# Altium PCB 4G_V4.2_5X4.PcbDoc (part 5 of 5)
Units mm, origin at the board's own origin, x right, y up, seen from the top; angles counter-clockwise.
Board outline 35.5 x 48 mm, 2 copper layers (Top Layer, Bottom Layer); 800 components, 0 nets, 5412 pads, 900 vias.
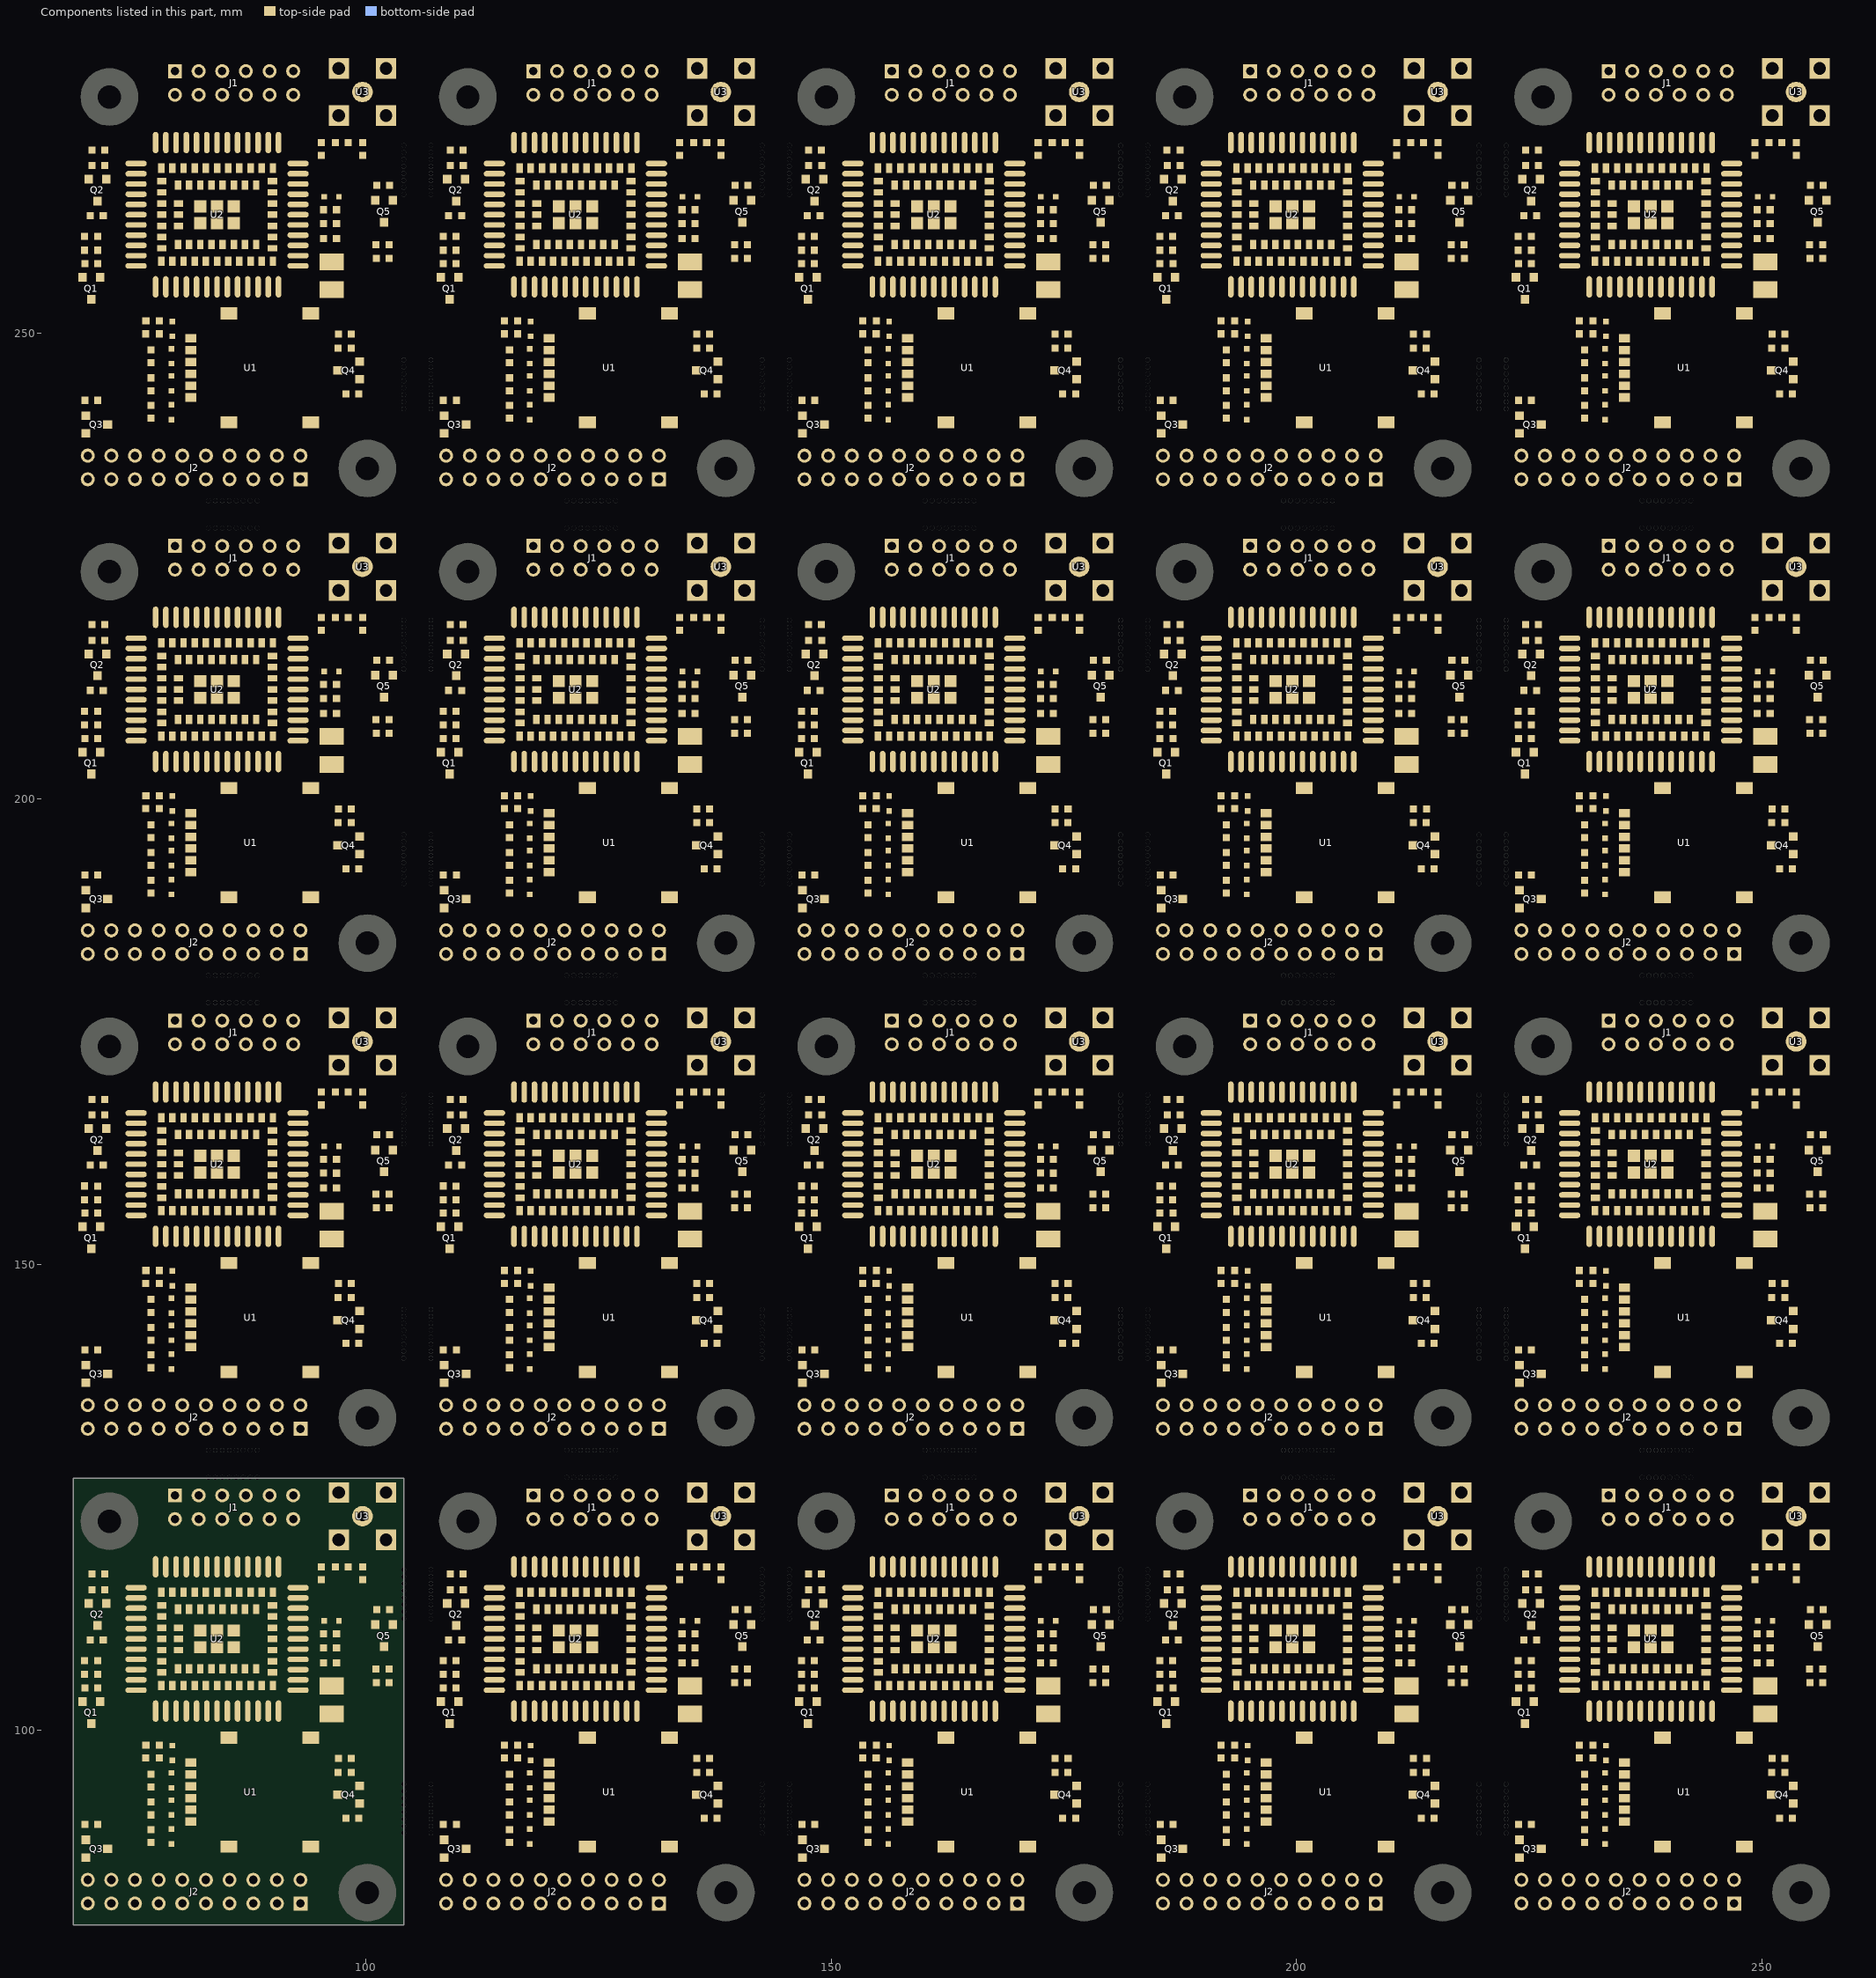
[diagram p5: the components of this part, seen from the top]

## Polygon pours and split planes (outlines as drawn) (continued)
no net on Bottom Layer "GND" (solid, remove dead copper, pour order 3): 145.58,229.035 181.08,229.035 181.08,181.035 145.58,181.035
no net on Bottom Layer "GND" (solid, remove dead copper, pour order 3): 145.58,178.035 181.08,178.035 181.08,130.035 145.58,130.035
no net on Bottom Layer "GND" (solid, remove dead copper, pour order 3): 145.58,127.035 181.08,127.035 181.08,79.035 145.58,79.035
no net on Bottom Layer "GND" (solid, remove dead copper, pour order 3): 107.08,280.035 142.58,280.035 142.58,232.035 107.08,232.035
no net on Bottom Layer "GND" (solid, remove dead copper, pour order 3): 107.08,229.035 142.58,229.035 142.58,181.035 107.08,181.035
no net on Bottom Layer "GND" (solid, remove dead copper, pour order 3): 107.08,178.035 142.58,178.035 142.58,130.035 107.08,130.035
no net on Bottom Layer "GND" (solid, remove dead copper, pour order 3): 107.08,127.035 142.58,127.035 142.58,79.035 107.08,79.035
no net on Bottom Layer "GND" (solid, remove dead copper, pour order 3): 68.58,280.035 104.08,280.035 104.08,232.035 68.58,232.035
no net on Bottom Layer "GND" (solid, remove dead copper, pour order 3): 68.58,229.035 104.08,229.035 104.08,181.035 68.58,181.035
no net on Bottom Layer "GND" (solid, remove dead copper, pour order 3): 68.58,178.035 104.08,178.035 104.08,130.035 68.58,130.035
no net on Bottom Layer "GND" (solid, remove dead copper, pour order 3): 68.58,127.035 104.08,127.035 104.08,79.035 68.58,79.035

## Keep-outs
Keep-Out Layer:
  lines w0.254: 82.702,127.035 82.702,130.035 ; 82.702,178.035 82.702,181.035 ; 82.702,229.035 82.702,232.035 ; 88.671,127.035 88.671,130.035 ; 88.671,178.035 88.671,181.035 ; 88.671,229.035 88.671,232.035 ; 104.08,88.529 107.08,88.529 ; 104.08,94.498 107.08,94.498 ; 104.08,111.566 107.08,111.566 ; 104.08,117.535 107.08,117.535 ; 104.08,139.529 107.08,139.529 ; 104.08,145.498 107.08,145.498 ; 104.08,162.566 107.08,162.566 ; 104.08,168.535 107.08,168.535 ; 104.08,190.529 107.08,190.529 ; 104.08,196.498 107.08,196.498 ; 104.08,213.566 107.08,213.566 ; 104.08,219.535 107.08,219.535 ; 104.08,241.529 107.08,241.529 ; 104.08,247.498 107.08,247.498 ; 104.08,264.566 107.08,264.566 ; 104.08,270.535 107.08,270.535 ; 121.202,127.035 121.202,130.035 ; 121.202,178.035 121.202,181.035 ; 121.202,229.035 121.202,232.035 ; 127.171,127.035 127.171,130.035 ; 127.171,178.035 127.171,181.035 ; 127.171,229.035 127.171,232.035 ; 142.58,88.529 145.58,88.529 ; 142.58,94.498 145.58,94.498 ; 142.58,111.566 145.58,111.566 ; 142.58,117.535 145.58,117.535 ; 142.58,139.529 145.58,139.529 ; 142.58,145.498 145.58,145.498 ; 142.58,162.566 145.58,162.566 ; 142.58,168.535 145.58,168.535 ; 142.58,190.529 145.58,190.529 ; 142.58,196.498 145.58,196.498 ; 142.58,213.566 145.58,213.566 ; 142.58,219.535 145.58,219.535 ; 142.58,241.529 145.58,241.529 ; 142.58,247.498 145.58,247.498 ; 142.58,264.566 145.58,264.566 ; 142.58,270.535 145.58,270.535 ; 159.702,127.035 159.702,130.035 ; 159.702,178.035 159.702,181.035 ; 159.702,229.035 159.702,232.035 ; 165.671,127.035 165.671,130.035 ; 165.671,178.035 165.671,181.035 ; 165.671,229.035 165.671,232.035 ; 181.08,88.529 184.08,88.529 ; 181.08,94.498 184.08,94.498 ; 181.08,111.566 184.08,111.566 ; 181.08,117.535 184.08,117.535 ; 181.08,139.529 184.08,139.529 ; 181.08,145.498 184.08,145.498 ; 181.08,162.566 184.08,162.566 ; 181.08,168.535 184.08,168.535 ; 181.08,190.529 184.08,190.529 ; 181.08,196.498 184.08,196.498 ; 181.08,213.566 184.08,213.566 ; 181.08,219.535 184.08,219.535 ; 181.08,241.529 184.08,241.529 ; 181.08,247.498 184.08,247.498 ; 181.08,264.566 184.08,264.566 ; 181.08,270.535 184.08,270.535 ; 198.202,127.035 198.202,130.035 ; 198.202,178.035 198.202,181.035 ; 198.202,229.035 198.202,232.035 ; 204.171,127.035 204.171,130.035 ; 204.171,178.035 204.171,181.035 ; 204.171,229.035 204.171,232.035 ; 219.58,88.529 222.58,88.529 ; 219.58,94.498 222.58,94.498 ; 219.58,111.566 222.58,111.566 ; 219.58,117.535 222.58,117.535 ; 219.58,139.529 222.58,139.529 ; 219.58,145.498 222.58,145.498 ; 219.58,162.566 222.58,162.566 ; 219.58,168.535 222.58,168.535 ; 219.58,190.529 222.58,190.529 ; 219.58,196.498 222.58,196.498 ; 219.58,213.566 222.58,213.566 ; 219.58,219.535 222.58,219.535 ; 219.58,241.529 222.58,241.529 ; 219.58,247.498 222.58,247.498 ; 219.58,264.566 222.58,264.566 ; 219.58,270.535 222.58,270.535 ; 236.702,127.035 236.702,130.035 ; 236.702,178.035 236.702,181.035 ; 236.702,229.035 236.702,232.035 ; 242.671,127.035 242.671,130.035 ; 242.671,178.035 242.671,181.035 ; 242.671,229.035 242.671,232.035 ; 68.58,79.035 104.08,79.035 104.08,127.035 68.58,127.035 68.58,79.035 ; 68.58,130.035 104.08,130.035 104.08,178.035 68.58,178.035 68.58,130.035 ; 68.58,181.035 104.08,181.035 104.08,229.035 68.58,229.035 68.58,181.035 ; 68.58,232.035 104.08,232.035 104.08,280.035 68.58,280.035 68.58,232.035 ; 107.08,79.035 142.58,79.035 142.58,127.035 107.08,127.035 107.08,79.035 ; 107.08,130.035 142.58,130.035 142.58,178.035 107.08,178.035 107.08,130.035 ; 107.08,181.035 142.58,181.035 142.58,229.035 107.08,229.035 107.08,181.035 ; 107.08,232.035 142.58,232.035 142.58,280.035 107.08,280.035 107.08,232.035 ; 145.58,79.035 181.08,79.035 181.08,127.035 145.58,127.035 145.58,79.035 ; 145.58,130.035 181.08,130.035 181.08,178.035 145.58,178.035 145.58,130.035 ; 145.58,181.035 181.08,181.035 181.08,229.035 145.58,229.035 145.58,181.035 ; 145.58,232.035 181.08,232.035 181.08,280.035 145.58,280.035 145.58,232.035 ; 184.08,79.035 219.58,79.035 219.58,127.035 184.08,127.035 184.08,79.035 ; 184.08,130.035 219.58,130.035 219.58,178.035 184.08,178.035 184.08,130.035 ; 184.08,181.035 219.58,181.035 219.58,229.035 184.08,229.035 184.08,181.035 ; 184.08,232.035 219.58,232.035 219.58,280.035 184.08,280.035 184.08,232.035 ; 222.58,79.035 258.08,79.035 258.08,127.035 222.58,127.035 222.58,79.035 ; 222.58,130.035 258.08,130.035 258.08,178.035 222.58,178.035 222.58,130.035 ; 222.58,181.035 258.08,181.035 258.08,229.035 222.58,229.035 222.58,181.035 ; 222.58,232.035 258.08,232.035 258.08,280.035 222.58,280.035 222.58,232.035

## Other copper
Top Layer:
  rectangle: 245.923,259.156 249.606,260.807
  rectangle: 245.923,208.156 249.606,209.807
  rectangle: 245.923,157.156 249.606,158.807
  rectangle: 245.923,106.156 249.606,107.807
  rectangle: 207.423,259.156 211.106,260.807
  rectangle: 207.423,208.156 211.106,209.807
  rectangle: 207.423,157.156 211.106,158.807
  rectangle: 207.423,106.156 211.106,107.807
  rectangle: 168.923,259.156 172.606,260.807
  rectangle: 168.923,208.156 172.606,209.807
  rectangle: 168.923,157.156 172.606,158.807
  rectangle: 168.923,106.156 172.606,107.807
  rectangle: 130.423,259.156 134.106,260.807
  rectangle: 130.423,208.156 134.106,209.807
  rectangle: 130.423,157.156 134.106,158.807
  rectangle: 130.423,106.156 134.106,107.807
  rectangle: 91.923,259.156 95.606,260.807
  rectangle: 91.923,208.156 95.606,209.807
  rectangle: 91.923,157.156 95.606,158.807
  rectangle: 91.923,106.156 95.606,107.807
  region: 249.834,265.024 249.783,265.074 248.996,265.074 248.488,264.49 248.463,264.439 248.463,257.251 248.92,256.794 249.936,256.794
  region: 249.834,214.024 249.783,214.074 248.996,214.074 248.488,213.49 248.463,213.439 248.463,206.251 248.92,205.794 249.936,205.794
  region: 249.834,163.024 249.783,163.074 248.996,163.074 248.488,162.49 248.463,162.439 248.463,155.251 248.92,154.794 249.936,154.794
  region: 249.834,112.024 249.783,112.074 248.996,112.074 248.488,111.49 248.463,111.439 248.463,104.251 248.92,103.794 249.936,103.794
  region: 211.334,265.024 211.283,265.074 210.496,265.074 209.988,264.49 209.963,264.439 209.963,257.251 210.42,256.794 211.436,256.794
  region: 211.334,214.024 211.283,214.074 210.496,214.074 209.988,213.49 209.963,213.439 209.963,206.251 210.42,205.794 211.436,205.794
  region: 211.334,163.024 211.283,163.074 210.496,163.074 209.988,162.49 209.963,162.439 209.963,155.251 210.42,154.794 211.436,154.794
  region: 211.334,112.024 211.283,112.074 210.496,112.074 209.988,111.49 209.963,111.439 209.963,104.251 210.42,103.794 211.436,103.794
  region: 172.834,265.024 172.783,265.074 171.996,265.074 171.488,264.49 171.463,264.439 171.463,257.251 171.92,256.794 172.936,256.794
  region: 172.834,214.024 172.783,214.074 171.996,214.074 171.488,213.49 171.463,213.439 171.463,206.251 171.92,205.794 172.936,205.794
  region: 172.834,163.024 172.783,163.074 171.996,163.074 171.488,162.49 171.463,162.439 171.463,155.251 171.92,154.794 172.936,154.794
  region: 172.834,112.024 172.783,112.074 171.996,112.074 171.488,111.49 171.463,111.439 171.463,104.251 171.92,103.794 172.936,103.794
  region: 134.334,265.024 134.283,265.074 133.496,265.074 132.988,264.49 132.963,264.439 132.963,257.251 133.42,256.794 134.436,256.794
  region: 134.334,214.024 134.283,214.074 133.496,214.074 132.988,213.49 132.963,213.439 132.963,206.251 133.42,205.794 134.436,205.794
  region: 134.334,163.024 134.283,163.074 133.496,163.074 132.988,162.49 132.963,162.439 132.963,155.251 133.42,154.794 134.436,154.794
  region: 134.334,112.024 134.283,112.074 133.496,112.074 132.988,111.49 132.963,111.439 132.963,104.251 133.42,103.794 134.436,103.794
  region: 95.834,265.024 95.783,265.074 94.996,265.074 94.488,264.49 94.463,264.439 94.463,257.251 94.92,256.794 95.936,256.794
  region: 95.834,214.024 95.783,214.074 94.996,214.074 94.488,213.49 94.463,213.439 94.463,206.251 94.92,205.794 95.936,205.794
  region: 95.834,163.024 95.783,163.074 94.996,163.074 94.488,162.49 94.463,162.439 94.463,155.251 94.92,154.794 95.936,154.794
  region: 95.834,112.024 95.783,112.074 94.996,112.074 94.488,111.49 94.463,111.439 94.463,104.251 94.92,103.794 95.936,103.794

## Silkscreen, mask and mechanical layers (free items; w line width, h text height)
Top Overlay:
  lines w0.254: 74.143,89.545 74.143,98.536 ; 74.143,140.545 74.143,149.536 ; 74.143,191.545 74.143,200.536 ; 74.143,242.545 74.143,251.536 ; 112.643,89.545 112.643,98.536 ; 112.643,140.545 112.643,149.536 ; 112.643,191.545 112.643,200.536 ; 112.643,242.545 112.643,251.536 ; 151.143,89.545 151.143,98.536 ; 151.143,140.545 151.143,149.536 ; 151.143,191.545 151.143,200.536 ; 151.143,242.545 151.143,251.536 ; 189.643,89.545 189.643,98.536 ; 189.643,140.545 189.643,149.536 ; 189.643,191.545 189.643,200.536 ; 189.643,242.545 189.643,251.536 ; 228.143,89.545 228.143,98.536 ; 228.143,140.545 228.143,149.536 ; 228.143,191.545 228.143,200.536 ; 228.143,242.545 228.143,251.536
  text "HEIM-V4.2" at 73.838,242.24 h2 r90
  text "HEIM-V4.2" at 112.338,242.24 h2 r90
  text "HEIM-V4.2" at 150.838,242.24 h2 r90
  text "HEIM-V4.2" at 189.338,242.24 h2 r90
  text "HEIM-V4.2" at 227.838,242.24 h2 r90
  text "HEIM-V4.2" at 73.838,191.24 h2 r90
  text "HEIM-V4.2" at 112.338,191.24 h2 r90
  text "HEIM-V4.2" at 150.838,191.24 h2 r90
  text "HEIM-V4.2" at 189.338,191.24 h2 r90
  text "HEIM-V4.2" at 227.838,191.24 h2 r90
  text "HEIM-V4.2" at 73.838,140.24 h2 r90
  text "HEIM-V4.2" at 112.338,140.24 h2 r90
  text "HEIM-V4.2" at 150.838,140.24 h2 r90
  text "HEIM-V4.2" at 189.338,140.24 h2 r90
  text "HEIM-V4.2" at 227.838,140.24 h2 r90
  text "HEIM-V4.2" at 73.838,89.24 h2 r90
  text "HEIM-V4.2" at 112.338,89.24 h2 r90
  text "HEIM-V4.2" at 150.838,89.24 h2 r90
  text "HEIM-V4.2" at 189.338,89.24 h2 r90
  text "HEIM-V4.2" at 227.838,89.24 h2 r90

## Text inside footprints (layer, text, board x,y; h text height)
U1: Top Overlay "LOCK" at 245.307,251.354 h0.5 r180; Top Overlay "OPEN" at 245.307,241.626 h0.5 r180
U1: Top Overlay "LOCK" at 245.307,200.354 h0.5 r180; Top Overlay "OPEN" at 245.307,190.626 h0.5 r180
U1: Top Overlay "LOCK" at 245.307,149.354 h0.5 r180; Top Overlay "OPEN" at 245.307,139.626 h0.5 r180
U1: Top Overlay "LOCK" at 245.307,98.354 h0.5 r180; Top Overlay "OPEN" at 245.307,88.626 h0.5 r180
U1: Top Overlay "LOCK" at 206.807,251.354 h0.5 r180; Top Overlay "OPEN" at 206.807,241.626 h0.5 r180
U1: Top Overlay "LOCK" at 206.807,200.354 h0.5 r180; Top Overlay "OPEN" at 206.807,190.626 h0.5 r180
U1: Top Overlay "LOCK" at 206.807,149.354 h0.5 r180; Top Overlay "OPEN" at 206.807,139.626 h0.5 r180
U1: Top Overlay "LOCK" at 206.807,98.354 h0.5 r180; Top Overlay "OPEN" at 206.807,88.626 h0.5 r180
U1: Top Overlay "LOCK" at 168.307,251.354 h0.5 r180; Top Overlay "OPEN" at 168.307,241.626 h0.5 r180
U1: Top Overlay "LOCK" at 168.307,200.354 h0.5 r180; Top Overlay "OPEN" at 168.307,190.626 h0.5 r180
U1: Top Overlay "LOCK" at 168.307,149.354 h0.5 r180; Top Overlay "OPEN" at 168.307,139.626 h0.5 r180
U1: Top Overlay "LOCK" at 168.307,98.354 h0.5 r180; Top Overlay "OPEN" at 168.307,88.626 h0.5 r180
U1: Top Overlay "LOCK" at 129.807,251.354 h0.5 r180; Top Overlay "OPEN" at 129.807,241.626 h0.5 r180
U1: Top Overlay "LOCK" at 129.807,200.354 h0.5 r180; Top Overlay "OPEN" at 129.807,190.626 h0.5 r180
U1: Top Overlay "LOCK" at 129.807,149.354 h0.5 r180; Top Overlay "OPEN" at 129.807,139.626 h0.5 r180
U1: Top Overlay "LOCK" at 129.807,98.354 h0.5 r180; Top Overlay "OPEN" at 129.807,88.626 h0.5 r180
U1: Top Overlay "LOCK" at 91.307,251.354 h0.5 r180; Top Overlay "OPEN" at 91.307,241.626 h0.5 r180
U1: Top Overlay "LOCK" at 91.307,200.354 h0.5 r180; Top Overlay "OPEN" at 91.307,190.626 h0.5 r180
U1: Top Overlay "LOCK" at 91.307,149.354 h0.5 r180; Top Overlay "OPEN" at 91.307,139.626 h0.5 r180
U1: Top Overlay "LOCK" at 91.307,98.354 h0.5 r180; Top Overlay "OPEN" at 91.307,88.626 h0.5 r180
U2: Mechanical 5 "94" at 236.223,263.583 h0.1 r270; Mechanical 5 "92" at 238.023,263.583 h0.1 r270; Mechanical 5 "90" at 239.823,263.583 h0.1 r270; Mechanical 5 "93" at 236.223,261.783 h0.1 r270; Mechanical 5 "91" at 238.023,261.783 h0.1 r270; Mechanical 5 "89" at 239.823,261.783 h0.1 r270; Mechanical 5 "79" at 235.023,259.483 h0.1 r270; Mechanical 5 "82" at 235.023,265.883 h0.1 r270; Mechanical 5 "109" at 233.873,263.843 h0.1 r270; Mechanical 5 "81" at 233.823,265.883 h0.1 r270; Mechanical 5 "83" at 236.223,265.883 h0.1 r270; Mechanical 5 "84" at 237.423,265.883 h0.1 r270; Mechanical 5 "85" at 238.623,265.883 h0.1 r270; Mechanical 5 "86" at 239.823,265.883 h0.1 r270; Mechanical 5 "87" at 241.023,265.883 h0.1 r270; Mechanical 5 "108" at 233.873,262.643 h0.1 r270; Mechanical 5 "107" at 233.873,261.443 h0.1 r270; Mechanical 5 "80" at 233.823,259.483 h0.1 r270; Mechanical 5 "78" at 236.223,259.483 h0.1 r270; Mechanical 5 "77" at 237.423,259.483 h0.1 r270; Mechanical 5 "76" at 238.623,259.483 h0.1 r270; Mechanical 5 "75" at 239.823,259.483 h0.1 r270; Mechanical 5 "74" at 241.023,259.483 h0.1 r270; Mechanical 5 "88" at 242.223,265.883 h0.1 r270; Mechanical 5 "73" at 242.223,259.483 h0.1 r270; Mechanical 5 "61" at 235.623,267.683 h0.1 r270; Mechanical 5 "59" at 233.223,267.683 h0.1 r270; Mechanical 5 "60" at 234.423,267.683 h0.1 r270; Mechanical 5 "102" at 232.073,266.243 h0.1 r270; Mechanical 5 "58" at 232.073,265.083 h0.1 r270; Mechanical 5 "57" at 232.073,263.883 h0.1 r270; Mechanical 5 "56" at 232.073,262.683 h0.1 r270; Mechanical 5 "55" at 232.073,261.483 h0.1 r270; Mechanical 5 "54" at 232.073,260.283 h0.1 r270; Mechanical 5 "101" at 232.073,259.043 h0.1 r270; Mechanical 5 "105" at 243.973,266.243 h0.1 r270; Mechanical 5 "68" at 243.973,265.083 h0.1 r270; Mechanical 5 "69" at 243.973,263.883 h0.1 r270; Mechanical 5 "106" at 243.973,259.043 h0.1 r270; Mechanical 5 "103" at 232.023,267.643 h0.1 r270; Mechanical 5 "62" at 236.823,267.683 h0.1 r270; Mechanical 5 "63" at 238.023,267.683 h0.1 r270; Mechanical 5 "64" at 239.223,267.683 h0.1 r270; Mechanical 5 "65" at 240.423,267.683 h0.1 r270; Mechanical 5 "104" at 244.023,267.643 h0.1 r270; Mechanical 5 "100" at 232.023,257.643 h0.1 r270; Mechanical 5 "53" at 233.223,257.683 h0.1 r270; Mechanical 5 "52" at 234.423,257.683 h0.1 r270; Mechanical 5 "51" at 235.623,257.683 h0.1 r270; Mechanical 5 "50" at 236.823,257.683 h0.1 r270; Mechanical 5 "49" at 238.023,257.683 h0.1 r270; Mechanical 5 "99" at 244.023,257.683 h0.1 r270; Mechanical 5 "66" at 241.623,267.683 h0.1 r270; Mechanical 5 "67" at 242.823,267.683 h0.1 r270; Mechanical 5 "45" at 242.823,257.683 h0.1 r270; Mechanical 5 "70" at 243.973,262.683 h0.1 r270; Mechanical 5 "71" at 243.973,261.483 h0.1 r270; Mechanical 5 "72" at 243.973,260.283 h0.1 r270; Mechanical 5 "48" at 239.223,257.683 h0.1 r270; Mechanical 5 "47" at 240.423,257.683 h0.1 r270; Mechanical 5 "46" at 241.623,257.683 h0.1 r270; Mechanical 5 "24" at 232.523,270.433 h0.1 r270; Mechanical 5 "42" at 246.723,260.483 h0.1 r270; Mechanical 5 "43" at 246.723,259.383 h0.1 r270; Mechanical 5 "14" at 229.323,258.283 h0.1 r270; Mechanical 5 "12" at 232.523,254.933 h0.1 r270; Mechanical 5 "11" at 233.623,254.933 h0.1 r270; Mechanical 5 "13" at 231.423,254.933 h0.1 r270; Mechanical 5 "25" at 233.623,270.433 h0.1 r270; Mechanical 5 "15" at 229.323,259.383 h0.1 r270; Mechanical 5 "97" at 246.723,268.183 h0.1 r270; Mechanical 5 "44" at 246.723,258.283 h0.1 r270; Mechanical 5 "26" at 234.723,270.433 h0.1 r270; Mechanical 5 "9" at 235.823,254.973 h0.1 r270; Mechanical 5 "8" at 236.923,254.973 h0.1 r270; Mechanical 5 "6" at 239.123,254.973 h0.1 r270; Mechanical 5 "5" at 240.223,254.973 h0.1 r270; Mechanical 5 "4" at 241.323,254.973 h0.1 r270; Mechanical 5 "96" at 229.323,268.183 h0.1 r270; Mechanical 5 "95" at 229.323,257.183 h0.1 r270; Mechanical 5 "3" at 242.423,254.973 h0.1 r270; Mechanical 5 "7" at 238.023,254.973 h0.1 r270; Mechanical 5 "31" at 240.223,270.433 h0.1 r270; Mechanical 5 "33" at 242.423,270.433 h0.1 r270; Mechanical 5 "32" at 241.323,270.433 h0.1 r270; Mechanical 5 "30" at 239.123,270.433 h0.1 r270; Mechanical 5 "16" at 229.323,260.483 h0.1 r270; Mechanical 5 "18" at 229.323,262.683 h0.1 r270; Mechanical 5 "17" at 229.323,261.583 h0.1 r270; Mechanical 5 "23" at 231.423,270.433 h0.1 r270; Mechanical 5 "20" at 229.323,264.883 h0.1 r270; Mechanical 5 "19" at 229.323,263.783 h0.1 r270; Mechanical 5 "21" at 229.323,265.983 h0.1 r270; Mechanical 5 "22" at 229.323,267.083 h0.1 r270; Mechanical 5 "36" at 246.723,267.083 h0.1 r270; Mechanical 5 "37" at 246.723,265.983 h0.1 r270; Mechanical 5 "40" at 246.723,262.683 h0.1 r270; Mechanical 5 "41" at 246.723,261.583 h0.1 r270; Mechanical 5 "27" at 235.823,270.433 h0.1 r270; Mechanical 5 "34" at 243.523,270.433 h0.1 r270; Mechanical 5 "10" at 234.723,254.933 h0.1 r270; Mechanical 5 "1" at 244.623,254.973 h0.1 r270; Mechanical 5 "39" at 246.723,263.783 h0.1 r270; Mechanical 5 "38" at 246.723,264.883 h0.1 r270; Mechanical 5 "29" at 238.023,270.433 h0.1 r270; Mechanical 5 "28" at 236.923,270.433 h0.1 r270; Mechanical 5 "98" at 246.723,257.183 h0.1 r270; Mechanical 5 "35" at 244.623,270.433 h0.1 r270; Mechanical 5 "2" at 243.523,254.973 h0.1 r270
U2: Mechanical 5 "94" at 236.223,212.583 h0.1 r270; Mechanical 5 "92" at 238.023,212.583 h0.1 r270; Mechanical 5 "90" at 239.823,212.583 h0.1 r270; Mechanical 5 "93" at 236.223,210.783 h0.1 r270; Mechanical 5 "91" at 238.023,210.783 h0.1 r270; Mechanical 5 "89" at 239.823,210.783 h0.1 r270; Mechanical 5 "79" at 235.023,208.483 h0.1 r270; Mechanical 5 "82" at 235.023,214.883 h0.1 r270; Mechanical 5 "109" at 233.873,212.843 h0.1 r270; Mechanical 5 "81" at 233.823,214.883 h0.1 r270; Mechanical 5 "83" at 236.223,214.883 h0.1 r270; Mechanical 5 "84" at 237.423,214.883 h0.1 r270; Mechanical 5 "85" at 238.623,214.883 h0.1 r270; Mechanical 5 "86" at 239.823,214.883 h0.1 r270; Mechanical 5 "87" at 241.023,214.883 h0.1 r270; Mechanical 5 "108" at 233.873,211.643 h0.1 r270; Mechanical 5 "107" at 233.873,210.443 h0.1 r270; Mechanical 5 "80" at 233.823,208.483 h0.1 r270; Mechanical 5 "78" at 236.223,208.483 h0.1 r270; Mechanical 5 "77" at 237.423,208.483 h0.1 r270; Mechanical 5 "76" at 238.623,208.483 h0.1 r270; Mechanical 5 "75" at 239.823,208.483 h0.1 r270; Mechanical 5 "74" at 241.023,208.483 h0.1 r270; Mechanical 5 "88" at 242.223,214.883 h0.1 r270; Mechanical 5 "73" at 242.223,208.483 h0.1 r270; Mechanical 5 "61" at 235.623,216.683 h0.1 r270; Mechanical 5 "59" at 233.223,216.683 h0.1 r270; Mechanical 5 "60" at 234.423,216.683 h0.1 r270; Mechanical 5 "102" at 232.073,215.243 h0.1 r270; Mechanical 5 "58" at 232.073,214.083 h0.1 r270; Mechanical 5 "57" at 232.073,212.883 h0.1 r270; Mechanical 5 "56" at 232.073,211.683 h0.1 r270; Mechanical 5 "55" at 232.073,210.483 h0.1 r270; Mechanical 5 "54" at 232.073,209.283 h0.1 r270; Mechanical 5 "101" at 232.073,208.043 h0.1 r270; Mechanical 5 "105" at 243.973,215.243 h0.1 r270; Mechanical 5 "68" at 243.973,214.083 h0.1 r270; Mechanical 5 "69" at 243.973,212.883 h0.1 r270; Mechanical 5 "106" at 243.973,208.043 h0.1 r270; Mechanical 5 "103" at 232.023,216.643 h0.1 r270; Mechanical 5 "62" at 236.823,216.683 h0.1 r270; Mechanical 5 "63" at 238.023,216.683 h0.1 r270; Mechanical 5 "64" at 239.223,216.683 h0.1 r270; Mechanical 5 "65" at 240.423,216.683 h0.1 r270; Mechanical 5 "104" at 244.023,216.643 h0.1 r270; Mechanical 5 "100" at 232.023,206.643 h0.1 r270; Mechanical 5 "53" at 233.223,206.683 h0.1 r270; Mechanical 5 "52" at 234.423,206.683 h0.1 r270; Mechanical 5 "51" at 235.623,206.683 h0.1 r270; Mechanical 5 "50" at 236.823,206.683 h0.1 r270; Mechanical 5 "49" at 238.023,206.683 h0.1 r270; Mechanical 5 "99" at 244.023,206.683 h0.1 r270; Mechanical 5 "66" at 241.623,216.683 h0.1 r270; Mechanical 5 "67" at 242.823,216.683 h0.1 r270; Mechanical 5 "45" at 242.823,206.683 h0.1 r270; Mechanical 5 "70" at 243.973,211.683 h0.1 r270; Mechanical 5 "71" at 243.973,210.483 h0.1 r270; Mechanical 5 "72" at 243.973,209.283 h0.1 r270; Mechanical 5 "48" at 239.223,206.683 h0.1 r270; Mechanical 5 "47" at 240.423,206.683 h0.1 r270; Mechanical 5 "46" at 241.623,206.683 h0.1 r270; Mechanical 5 "24" at 232.523,219.433 h0.1 r270; Mechanical 5 "42" at 246.723,209.483 h0.1 r270; Mechanical 5 "43" at 246.723,208.383 h0.1 r270; Mechanical 5 "14" at 229.323,207.283 h0.1 r270; Mechanical 5 "12" at 232.523,203.933 h0.1 r270; Mechanical 5 "11" at 233.623,203.933 h0.1 r270; Mechanical 5 "13" at 231.423,203.933 h0.1 r270; Mechanical 5 "25" at 233.623,219.433 h0.1 r270; Mechanical 5 "15" at 229.323,208.383 h0.1 r270; Mechanical 5 "97" at 246.723,217.183 h0.1 r270; Mechanical 5 "44" at 246.723,207.283 h0.1 r270; Mechanical 5 "26" at 234.723,219.433 h0.1 r270; Mechanical 5 "9" at 235.823,203.973 h0.1 r270; Mechanical 5 "8" at 236.923,203.973 h0.1 r270; Mechanical 5 "6" at 239.123,203.973 h0.1 r270; Mechanical 5 "5" at 240.223,203.973 h0.1 r270; Mechanical 5 "4" at 241.323,203.973 h0.1 r270; Mechanical 5 "96" at 229.323,217.183 h0.1 r270; Mechanical 5 "95" at 229.323,206.183 h0.1 r270; Mechanical 5 "3" at 242.423,203.973 h0.1 r270; Mechanical 5 "7" at 238.023,203.973 h0.1 r270; Mechanical 5 "31" at 240.223,219.433 h0.1 r270; Mechanical 5 "33" at 242.423,219.433 h0.1 r270; Mechanical 5 "32" at 241.323,219.433 h0.1 r270; Mechanical 5 "30" at 239.123,219.433 h0.1 r270; Mechanical 5 "16" at 229.323,209.483 h0.1 r270; Mechanical 5 "18" at 229.323,211.683 h0.1 r270; Mechanical 5 "17" at 229.323,210.583 h0.1 r270; Mechanical 5 "23" at 231.423,219.433 h0.1 r270; Mechanical 5 "20" at 229.323,213.883 h0.1 r270; Mechanical 5 "19" at 229.323,212.783 h0.1 r270; Mechanical 5 "21" at 229.323,214.983 h0.1 r270; Mechanical 5 "22" at 229.323,216.083 h0.1 r270; Mechanical 5 "36" at 246.723,216.083 h0.1 r270; Mechanical 5 "37" at 246.723,214.983 h0.1 r270; Mechanical 5 "40" at 246.723,211.683 h0.1 r270; Mechanical 5 "41" at 246.723,210.583 h0.1 r270; Mechanical 5 "27" at 235.823,219.433 h0.1 r270; Mechanical 5 "34" at 243.523,219.433 h0.1 r270; Mechanical 5 "10" at 234.723,203.933 h0.1 r270; Mechanical 5 "1" at 244.623,203.973 h0.1 r270; Mechanical 5 "39" at 246.723,212.783 h0.1 r270; Mechanical 5 "38" at 246.723,213.883 h0.1 r270; Mechanical 5 "29" at 238.023,219.433 h0.1 r270; Mechanical 5 "28" at 236.923,219.433 h0.1 r270; Mechanical 5 "98" at 246.723,206.183 h0.1 r270; Mechanical 5 "35" at 244.623,219.433 h0.1 r270; Mechanical 5 "2" at 243.523,203.973 h0.1 r270
U2: Mechanical 5 "94" at 236.223,161.583 h0.1 r270; Mechanical 5 "92" at 238.023,161.583 h0.1 r270; Mechanical 5 "90" at 239.823,161.583 h0.1 r270; Mechanical 5 "93" at 236.223,159.783 h0.1 r270; Mechanical 5 "91" at 238.023,159.783 h0.1 r270; Mechanical 5 "89" at 239.823,159.783 h0.1 r270; Mechanical 5 "79" at 235.023,157.483 h0.1 r270; Mechanical 5 "82" at 235.023,163.883 h0.1 r270; Mechanical 5 "109" at 233.873,161.843 h0.1 r270; Mechanical 5 "81" at 233.823,163.883 h0.1 r270; Mechanical 5 "83" at 236.223,163.883 h0.1 r270; Mechanical 5 "84" at 237.423,163.883 h0.1 r270; Mechanical 5 "85" at 238.623,163.883 h0.1 r270; Mechanical 5 "86" at 239.823,163.883 h0.1 r270; Mechanical 5 "87" at 241.023,163.883 h0.1 r270; Mechanical 5 "108" at 233.873,160.643 h0.1 r270; Mechanical 5 "107" at 233.873,159.443 h0.1 r270; Mechanical 5 "80" at 233.823,157.483 h0.1 r270; Mechanical 5 "78" at 236.223,157.483 h0.1 r270; Mechanical 5 "77" at 237.423,157.483 h0.1 r270; Mechanical 5 "76" at 238.623,157.483 h0.1 r270; Mechanical 5 "75" at 239.823,157.483 h0.1 r270; Mechanical 5 "74" at 241.023,157.483 h0.1 r270; Mechanical 5 "88" at 242.223,163.883 h0.1 r270; Mechanical 5 "73" at 242.223,157.483 h0.1 r270; Mechanical 5 "61" at 235.623,165.683 h0.1 r270; Mechanical 5 "59" at 233.223,165.683 h0.1 r270; Mechanical 5 "60" at 234.423,165.683 h0.1 r270; Mechanical 5 "102" at 232.073,164.243 h0.1 r270; Mechanical 5 "58" at 232.073,163.083 h0.1 r270; Mechanical 5 "57" at 232.073,161.883 h0.1 r270; Mechanical 5 "56" at 232.073,160.683 h0.1 r270; Mechanical 5 "55" at 232.073,159.483 h0.1 r270; Mechanical 5 "54" at 232.073,158.283 h0.1 r270; Mechanical 5 "101" at 232.073,157.043 h0.1 r270; Mechanical 5 "105" at 243.973,164.243 h0.1 r270; Mechanical 5 "68" at 243.973,163.083 h0.1 r270; Mechanical 5 "69" at 243.973,161.883 h0.1 r270; Mechanical 5 "106" at 243.973,157.043 h0.1 r270; Mechanical 5 "103" at 232.023,165.643 h0.1 r270; Mechanical 5 "62" at 236.823,165.683 h0.1 r270; Mechanical 5 "63" at 238.023,165.683 h0.1 r270; Mechanical 5 "64" at 239.223,165.683 h0.1 r270; Mechanical 5 "65" at 240.423,165.683 h0.1 r270; Mechanical 5 "104" at 244.023,165.643 h0.1 r270; Mechanical 5 "100" at 232.023,155.643 h0.1 r270; Mechanical 5 "53" at 233.223,155.683 h0.1 r270; Mechanical 5 "52" at 234.423,155.683 h0.1 r270; Mechanical 5 "51" at 235.623,155.683 h0.1 r270; Mechanical 5 "50" at 236.823,155.683 h0.1 r270; Mechanical 5 "49" at 238.023,155.683 h0.1 r270; Mechanical 5 "99" at 244.023,155.683 h0.1 r270; Mechanical 5 "66" at 241.623,165.683 h0.1 r270; Mechanical 5 "67" at 242.823,165.683 h0.1 r270; Mechanical 5 "45" at 242.823,155.683 h0.1 r270; Mechanical 5 "70" at 243.973,160.683 h0.1 r270; Mechanical 5 "71" at 243.973,159.483 h0.1 r270; Mechanical 5 "72" at 243.973,158.283 h0.1 r270; Mechanical 5 "48" at 239.223,155.683 h0.1 r270; Mechanical 5 "47" at 240.423,155.683 h0.1 r270; Mechanical 5 "46" at 241.623,155.683 h0.1 r270; Mechanical 5 "24" at 232.523,168.433 h0.1 r270; Mechanical 5 "42" at 246.723,158.483 h0.1 r270; Mechanical 5 "43" at 246.723,157.383 h0.1 r270; Mechanical 5 "14" at 229.323,156.283 h0.1 r270; Mechanical 5 "12" at 232.523,152.933 h0.1 r270; Mechanical 5 "11" at 233.623,152.933 h0.1 r270; Mechanical 5 "13" at 231.423,152.933 h0.1 r270; Mechanical 5 "25" at 233.623,168.433 h0.1 r270; Mechanical 5 "15" at 229.323,157.383 h0.1 r270; Mechanical 5 "97" at 246.723,166.183 h0.1 r270; Mechanical 5 "44" at 246.723,156.283 h0.1 r270; Mechanical 5 "26" at 234.723,168.433 h0.1 r270; Mechanical 5 "9" at 235.823,152.973 h0.1 r270; Mechanical 5 "8" at 236.923,152.973 h0.1 r270; Mechanical 5 "6" at 239.123,152.973 h0.1 r270; Mechanical 5 "5" at 240.223,152.973 h0.1 r270; Mechanical 5 "4" at 241.323,152.973 h0.1 r270; Mechanical 5 "96" at 229.323,166.183 h0.1 r270; Mechanical 5 "95" at 229.323,155.183 h0.1 r270; Mechanical 5 "3" at 242.423,152.973 h0.1 r270; Mechanical 5 "7" at 238.023,152.973 h0.1 r270; Mechanical 5 "31" at 240.223,168.433 h0.1 r270; Mechanical 5 "33" at 242.423,168.433 h0.1 r270; Mechanical 5 "32" at 241.323,168.433 h0.1 r270; Mechanical 5 "30" at 239.123,168.433 h0.1 r270; Mechanical 5 "16" at 229.323,158.483 h0.1 r270; Mechanical 5 "18" at 229.323,160.683 h0.1 r270; Mechanical 5 "17" at 229.323,159.583 h0.1 r270; Mechanical 5 "23" at 231.423,168.433 h0.1 r270; Mechanical 5 "20" at 229.323,162.883 h0.1 r270; Mechanical 5 "19" at 229.323,161.783 h0.1 r270; Mechanical 5 "21" at 229.323,163.983 h0.1 r270; Mechanical 5 "22" at 229.323,165.083 h0.1 r270; Mechanical 5 "36" at 246.723,165.083 h0.1 r270; Mechanical 5 "37" at 246.723,163.983 h0.1 r270; Mechanical 5 "40" at 246.723,160.683 h0.1 r270; Mechanical 5 "41" at 246.723,159.583 h0.1 r270; Mechanical 5 "27" at 235.823,168.433 h0.1 r270; Mechanical 5 "34" at 243.523,168.433 h0.1 r270; Mechanical 5 "10" at 234.723,152.933 h0.1 r270; Mechanical 5 "1" at 244.623,152.973 h0.1 r270; Mechanical 5 "39" at 246.723,161.783 h0.1 r270; Mechanical 5 "38" at 246.723,162.883 h0.1 r270; Mechanical 5 "29" at 238.023,168.433 h0.1 r270; Mechanical 5 "28" at 236.923,168.433 h0.1 r270; Mechanical 5 "98" at 246.723,155.183 h0.1 r270; Mechanical 5 "35" at 244.623,168.433 h0.1 r270; Mechanical 5 "2" at 243.523,152.973 h0.1 r270
U2: Mechanical 5 "94" at 236.223,110.583 h0.1 r270; Mechanical 5 "92" at 238.023,110.583 h0.1 r270; Mechanical 5 "90" at 239.823,110.583 h0.1 r270; Mechanical 5 "93" at 236.223,108.783 h0.1 r270; Mechanical 5 "91" at 238.023,108.783 h0.1 r270; Mechanical 5 "89" at 239.823,108.783 h0.1 r270; Mechanical 5 "79" at 235.023,106.483 h0.1 r270; Mechanical 5 "82" at 235.023,112.883 h0.1 r270; Mechanical 5 "109" at 233.873,110.843 h0.1 r270; Mechanical 5 "81" at 233.823,112.883 h0.1 r270; Mechanical 5 "83" at 236.223,112.883 h0.1 r270; Mechanical 5 "84" at 237.423,112.883 h0.1 r270; Mechanical 5 "85" at 238.623,112.883 h0.1 r270; Mechanical 5 "86" at 239.823,112.883 h0.1 r270; Mechanical 5 "87" at 241.023,112.883 h0.1 r270; Mechanical 5 "108" at 233.873,109.643 h0.1 r270; Mechanical 5 "107" at 233.873,108.443 h0.1 r270; Mechanical 5 "80" at 233.823,106.483 h0.1 r270; Mechanical 5 "78" at 236.223,106.483 h0.1 r270; Mechanical 5 "77" at 237.423,106.483 h0.1 r270; Mechanical 5 "76" at 238.623,106.483 h0.1 r270; Mechanical 5 "75" at 239.823,106.483 h0.1 r270; Mechanical 5 "74" at 241.023,106.483 h0.1 r270; Mechanical 5 "88" at 242.223,112.883 h0.1 r270; Mechanical 5 "73" at 242.223,106.483 h0.1 r270; Mechanical 5 "61" at 235.623,114.683 h0.1 r270; Mechanical 5 "59" at 233.223,114.683 h0.1 r270; Mechanical 5 "60" at 234.423,114.683 h0.1 r270; Mechanical 5 "102" at 232.073,113.243 h0.1 r270; Mechanical 5 "58" at 232.073,112.083 h0.1 r270; Mechanical 5 "57" at 232.073,110.883 h0.1 r270; Mechanical 5 "56" at 232.073,109.683 h0.1 r270; Mechanical 5 "55" at 232.073,108.483 h0.1 r270; Mechanical 5 "54" at 232.073,107.283 h0.1 r270; Mechanical 5 "101" at 232.073,106.043 h0.1 r270; Mechanical 5 "105" at 243.973,113.243 h0.1 r270; Mechanical 5 "68" at 243.973,112.083 h0.1 r270; Mechanical 5 "69" at 243.973,110.883 h0.1 r270; Mechanical 5 "106" at 243.973,106.043 h0.1 r270; Mechanical 5 "103" at 232.023,114.643 h0.1 r270; Mechanical 5 "62" at 236.823,114.683 h0.1 r270; Mechanical 5 "63" at 238.023,114.683 h0.1 r270; Mechanical 5 "64" at 239.223,114.683 h0.1 r270; Mechanical 5 "65" at 240.423,114.683 h0.1 r270; Mechanical 5 "104" at 244.023,114.643 h0.1 r270; Mechanical 5 "100" at 232.023,104.643 h0.1 r270; Mechanical 5 "53" at 233.223,104.683 h0.1 r270; Mechanical 5 "52" at 234.423,104.683 h0.1 r270; Mechanical 5 "51" at 235.623,104.683 h0.1 r270; Mechanical 5 "50" at 236.823,104.683 h0.1 r270; Mechanical 5 "49" at 238.023,104.683 h0.1 r270; Mechanical 5 "99" at 244.023,104.683 h0.1 r270; Mechanical 5 "66" at 241.623,114.683 h0.1 r270; Mechanical 5 "67" at 242.823,114.683 h0.1 r270; Mechanical 5 "45" at 242.823,104.683 h0.1 r270; Mechanical 5 "70" at 243.973,109.683 h0.1 r270; Mechanical 5 "71" at 243.973,108.483 h0.1 r270; Mechanical 5 "72" at 243.973,107.283 h0.1 r270; Mechanical 5 "48" at 239.223,104.683 h0.1 r270; Mechanical 5 "47" at 240.423,104.683 h0.1 r270; Mechanical 5 "46" at 241.623,104.683 h0.1 r270; Mechanical 5 "24" at 232.523,117.433 h0.1 r270; Mechanical 5 "42" at 246.723,107.483 h0.1 r270; Mechanical 5 "43" at 246.723,106.383 h0.1 r270; Mechanical 5 "14" at 229.323,105.283 h0.1 r270; Mechanical 5 "12" at 232.523,101.933 h0.1 r270; Mechanical 5 "11" at 233.623,101.933 h0.1 r270; Mechanical 5 "13" at 231.423,101.933 h0.1 r270; Mechanical 5 "25" at 233.623,117.433 h0.1 r270; Mechanical 5 "15" at 229.323,106.383 h0.1 r270; Mechanical 5 "97" at 246.723,115.183 h0.1 r270; Mechanical 5 "44" at 246.723,105.283 h0.1 r270; Mechanical 5 "26" at 234.723,117.433 h0.1 r270; Mechanical 5 "9" at 235.823,101.973 h0.1 r270; Mechanical 5 "8" at 236.923,101.973 h0.1 r270; Mechanical 5 "6" at 239.123,101.973 h0.1 r270; Mechanical 5 "5" at 240.223,101.973 h0.1 r270; Mechanical 5 "4" at 241.323,101.973 h0.1 r270; Mechanical 5 "96" at 229.323,115.183 h0.1 r270; Mechanical 5 "95" at 229.323,104.183 h0.1 r270; Mechanical 5 "3" at 242.423,101.973 h0.1 r270; Mechanical 5 "7" at 238.023,101.973 h0.1 r270; Mechanical 5 "31" at 240.223,117.433 h0.1 r270; Mechanical 5 "33" at 242.423,117.433 h0.1 r270; Mechanical 5 "32" at 241.323,117.433 h0.1 r270; Mechanical 5 "30" at 239.123,117.433 h0.1 r270; Mechanical 5 "16" at 229.323,107.483 h0.1 r270; Mechanical 5 "18" at 229.323,109.683 h0.1 r270; Mechanical 5 "17" at 229.323,108.583 h0.1 r270; Mechanical 5 "23" at 231.423,117.433 h0.1 r270; Mechanical 5 "20" at 229.323,111.883 h0.1 r270; Mechanical 5 "19" at 229.323,110.783 h0.1 r270; Mechanical 5 "21" at 229.323,112.983 h0.1 r270; Mechanical 5 "22" at 229.323,114.083 h0.1 r270; Mechanical 5 "36" at 246.723,114.083 h0.1 r270; Mechanical 5 "37" at 246.723,112.983 h0.1 r270; Mechanical 5 "40" at 246.723,109.683 h0.1 r270; Mechanical 5 "41" at 246.723,108.583 h0.1 r270; Mechanical 5 "27" at 235.823,117.433 h0.1 r270; Mechanical 5 "34" at 243.523,117.433 h0.1 r270; Mechanical 5 "10" at 234.723,101.933 h0.1 r270; Mechanical 5 "1" at 244.623,101.973 h0.1 r270; Mechanical 5 "39" at 246.723,110.783 h0.1 r270; Mechanical 5 "38" at 246.723,111.883 h0.1 r270; Mechanical 5 "29" at 238.023,117.433 h0.1 r270; Mechanical 5 "28" at 236.923,117.433 h0.1 r270; Mechanical 5 "98" at 246.723,104.183 h0.1 r270; Mechanical 5 "35" at 244.623,117.433 h0.1 r270; Mechanical 5 "2" at 243.523,101.973 h0.1 r270
U2: Mechanical 5 "94" at 197.723,263.583 h0.1 r270; Mechanical 5 "92" at 199.523,263.583 h0.1 r270; Mechanical 5 "90" at 201.323,263.583 h0.1 r270; Mechanical 5 "93" at 197.723,261.783 h0.1 r270; Mechanical 5 "91" at 199.523,261.783 h0.1 r270; Mechanical 5 "89" at 201.323,261.783 h0.1 r270; Mechanical 5 "79" at 196.523,259.483 h0.1 r270; Mechanical 5 "82" at 196.523,265.883 h0.1 r270; Mechanical 5 "109" at 195.373,263.843 h0.1 r270; Mechanical 5 "81" at 195.323,265.883 h0.1 r270; Mechanical 5 "83" at 197.723,265.883 h0.1 r270; Mechanical 5 "84" at 198.923,265.883 h0.1 r270; Mechanical 5 "85" at 200.123,265.883 h0.1 r270; Mechanical 5 "86" at 201.323,265.883 h0.1 r270; Mechanical 5 "87" at 202.523,265.883 h0.1 r270; Mechanical 5 "108" at 195.373,262.643 h0.1 r270; Mechanical 5 "107" at 195.373,261.443 h0.1 r270; Mechanical 5 "80" at 195.323,259.483 h0.1 r270; Mechanical 5 "78" at 197.723,259.483 h0.1 r270; Mechanical 5 "77" at 198.923,259.483 h0.1 r270; Mechanical 5 "76" at 200.123,259.483 h0.1 r270; Mechanical 5 "75" at 201.323,259.483 h0.1 r270; Mechanical 5 "74" at 202.523,259.483 h0.1 r270; Mechanical 5 "88" at 203.723,265.883 h0.1 r270; Mechanical 5 "73" at 203.723,259.483 h0.1 r270; Mechanical 5 "61" at 197.123,267.683 h0.1 r270; Mechanical 5 "59" at 194.723,267.683 h0.1 r270; Mechanical 5 "60" at 195.923,267.683 h0.1 r270; Mechanical 5 "102" at 193.573,266.243 h0.1 r270; Mechanical 5 "58" at 193.573,265.083 h0.1 r270; Mechanical 5 "57" at 193.573,263.883 h0.1 r270; Mechanical 5 "56" at 193.573,262.683 h0.1 r270; Mechanical 5 "55" at 193.573,261.483 h0.1 r270; Mechanical 5 "54" at 193.573,260.283 h0.1 r270; Mechanical 5 "101" at 193.573,259.043 h0.1 r270; Mechanical 5 "105" at 205.473,266.243 h0.1 r270; Mechanical 5 "68" at 205.473,265.083 h0.1 r270; Mechanical 5 "69" at 205.473,263.883 h0.1 r270; Mechanical 5 "106" at 205.473,259.043 h0.1 r270; Mechanical 5 "103" at 193.523,267.643 h0.1 r270; Mechanical 5 "62" at 198.323,267.683 h0.1 r270; Mechanical 5 "63" at 199.523,267.683 h0.1 r270; Mechanical 5 "64" at 200.723,267.683 h0.1 r270; Mechanical 5 "65" at 201.923,267.683 h0.1 r270; Mechanical 5 "104" at 205.523,267.643 h0.1 r270; Mechanical 5 "100" at 193.523,257.643 h0.1 r270; Mechanical 5 "53" at 194.723,257.683 h0.1 r270; Mechanical 5 "52" at 195.923,257.683 h0.1 r270; Mechanical 5 "51" at 197.123,257.683 h0.1 r270; Mechanical 5 "50" at 198.323,257.683 h0.1 r270; Mechanical 5 "49" at 199.523,257.683 h0.1 r270; Mechanical 5 "99" at 205.523,257.683 h0.1 r270; Mechanical 5 "66" at 203.123,267.683 h0.1 r270; Mechanical 5 "67" at 204.323,267.683 h0.1 r270; Mechanical 5 "45" at 204.323,257.683 h0.1 r270; Mechanical 5 "70" at 205.473,262.683 h0.1 r270; Mechanical 5 "71" at 205.473,261.483 h0.1 r270; Mechanical 5 "72" at 205.473,260.283 h0.1 r270; Mechanical 5 "48" at 200.723,257.683 h0.1 r270; Mechanical 5 "47" at 201.923,257.683 h0.1 r270; Mechanical 5 "46" at 203.123,257.683 h0.1 r270; Mechanical 5 "24" at 194.023,270.433 h0.1 r270; Mechanical 5 "42" at 208.223,260.483 h0.1 r270; Mechanical 5 "43" at 208.223,259.383 h0.1 r270; Mechanical 5 "14" at 190.823,258.283 h0.1 r270; Mechanical 5 "12" at 194.023,254.933 h0.1 r270; Mechanical 5 "11" at 195.123,254.933 h0.1 r270; Mechanical 5 "13" at 192.923,254.933 h0.1 r270; Mechanical 5 "25" at 195.123,270.433 h0.1 r270; Mechanical 5 "15" at 190.823,259.383 h0.1 r270; Mechanical 5 "97" at 208.223,268.183 h0.1 r270; Mechanical 5 "44" at 208.223,258.283 h0.1 r270; Mechanical 5 "26" at 196.223,270.433 h0.1 r270; Mechanical 5 "9" at 197.323,254.973 h0.1 r270; Mechanical 5 "8" at 198.423,254.973 h0.1 r270; Mechanical 5 "6" at 200.623,254.973 h0.1 r270; Mechanical 5 "5" at 201.723,254.973 h0.1 r270; Mechanical 5 "4" at 202.823,254.973 h0.1 r270; Mechanical 5 "96" at 190.823,268.183 h0.1 r270; Mechanical 5 "95" at 190.823,257.183 h0.1 r270; Mechanical 5 "3" at 203.923,254.973 h0.1 r270; Mechanical 5 "7" at 199.523,254.973 h0.1 r270; Mechanical 5 "31" at 201.723,270.433 h0.1 r270; Mechanical 5 "33" at 203.923,270.433 h0.1 r270; Mechanical 5 "32" at 202.823,270.433 h0.1 r270; Mechanical 5 "30" at 200.623,270.433 h0.1 r270; Mechanical 5 "16" at 190.823,260.483 h0.1 r270; Mechanical 5 "18" at 190.823,262.683 h0.1 r270; Mechanical 5 "17" at 190.823,261.583 h0.1 r270; Mechanical 5 "23" at 192.923,270.433 h0.1 r270; Mechanical 5 "20" at 190.823,264.883 h0.1 r270; Mechanical 5 "19" at 190.823,263.783 h0.1 r270; Mechanical 5 "21" at 190.823,265.983 h0.1 r270; Mechanical 5 "22" at 190.823,267.083 h0.1 r270; Mechanical 5 "36" at 208.223,267.083 h0.1 r270; Mechanical 5 "37" at 208.223,265.983 h0.1 r270; Mechanical 5 "40" at 208.223,262.683 h0.1 r270; Mechanical 5 "41" at 208.223,261.583 h0.1 r270; Mechanical 5 "27" at 197.323,270.433 h0.1 r270; Mechanical 5 "34" at 205.023,270.433 h0.1 r270; Mechanical 5 "10" at 196.223,254.933 h0.1 r270; Mechanical 5 "1" at 206.123,254.973 h0.1 r270; Mechanical 5 "39" at 208.223,263.783 h0.1 r270; Mechanical 5 "38" at 208.223,264.883 h0.1 r270; Mechanical 5 "29" at 199.523,270.433 h0.1 r270; Mechanical 5 "28" at 198.423,270.433 h0.1 r270; Mechanical 5 "98" at 208.223,257.183 h0.1 r270; Mechanical 5 "35" at 206.123,270.433 h0.1 r270; Mechanical 5 "2" at 205.023,254.973 h0.1 r270
U2: Mechanical 5 "94" at 197.723,212.583 h0.1 r270; Mechanical 5 "92" at 199.523,212.583 h0.1 r270; Mechanical 5 "90" at 201.323,212.583 h0.1 r270; Mechanical 5 "93" at 197.723,210.783 h0.1 r270; Mechanical 5 "91" at 199.523,210.783 h0.1 r270; Mechanical 5 "89" at 201.323,210.783 h0.1 r270; Mechanical 5 "79" at 196.523,208.483 h0.1 r270; Mechanical 5 "82" at 196.523,214.883 h0.1 r270; Mechanical 5 "109" at 195.373,212.843 h0.1 r270; Mechanical 5 "81" at 195.323,214.883 h0.1 r270; Mechanical 5 "83" at 197.723,214.883 h0.1 r270; Mechanical 5 "84" at 198.923,214.883 h0.1 r270; Mechanical 5 "85" at 200.123,214.883 h0.1 r270; Mechanical 5 "86" at 201.323,214.883 h0.1 r270; Mechanical 5 "87" at 202.523,214.883 h0.1 r270; Mechanical 5 "108" at 195.373,211.643 h0.1 r270; Mechanical 5 "107" at 195.373,210.443 h0.1 r270; Mechanical 5 "80" at 195.323,208.483 h0.1 r270; Mechanical 5 "78" at 197.723,208.483 h0.1 r270; Mechanical 5 "77" at 198.923,208.483 h0.1 r270; Mechanical 5 "76" at 200.123,208.483 h0.1 r270; Mechanical 5 "75" at 201.323,208.483 h0.1 r270; Mechanical 5 "74" at 202.523,208.483 h0.1 r270; Mechanical 5 "88" at 203.723,214.883 h0.1 r270; Mechanical 5 "73" at 203.723,208.483 h0.1 r270; Mechanical 5 "61" at 197.123,216.683 h0.1 r270; Mechanical 5 "59" at 194.723,216.683 h0.1 r270; Mechanical 5 "60" at 195.923,216.683 h0.1 r270; Mechanical 5 "102" at 193.573,215.243 h0.1 r270; Mechanical 5 "58" at 193.573,214.083 h0.1 r270; Mechanical 5 "57" at 193.573,212.883 h0.1 r270; Mechanical 5 "56" at 193.573,211.683 h0.1 r270; Mechanical 5 "55" at 193.573,210.483 h0.1 r270; Mechanical 5 "54" at 193.573,209.283 h0.1 r270; Mechanical 5 "101" at 193.573,208.043 h0.1 r270; Mechanical 5 "105" at 205.473,215.243 h0.1 r270; Mechanical 5 "68" at 205.473,214.083 h0.1 r270; Mechanical 5 "69" at 205.473,212.883 h0.1 r270; Mechanical 5 "106" at 205.473,208.043 h0.1 r270; Mechanical 5 "103" at 193.523,216.643 h0.1 r270; Mechanical 5 "62" at 198.323,216.683 h0.1 r270; Mechanical 5 "63" at 199.523,216.683 h0.1 r270; Mechanical 5 "64" at 200.723,216.683 h0.1 r270; Mechanical 5 "65" at 201.923,216.683 h0.1 r270; Mechanical 5 "104" at 205.523,216.643 h0.1 r270; Mechanical 5 "100" at 193.523,206.643 h0.1 r270; Mechanical 5 "53" at 194.723,206.683 h0.1 r270; Mechanical 5 "52" at 195.923,206.683 h0.1 r270; Mechanical 5 "51" at 197.123,206.683 h0.1 r270; Mechanical 5 "50" at 198.323,206.683 h0.1 r270; Mechanical 5 "49" at 199.523,206.683 h0.1 r270; Mechanical 5 "99" at 205.523,206.683 h0.1 r270; Mechanical 5 "66" at 203.123,216.683 h0.1 r270; Mechanical 5 "67" at 204.323,216.683 h0.1 r270; Mechanical 5 "45" at 204.323,206.683 h0.1 r270; Mechanical 5 "70" at 205.473,211.683 h0.1 r270; Mechanical 5 "71" at 205.473,210.483 h0.1 r270; Mechanical 5 "72" at 205.473,209.283 h0.1 r270; Mechanical 5 "48" at 200.723,206.683 h0.1 r270; Mechanical 5 "47" at 201.923,206.683 h0.1 r270; Mechanical 5 "46" at 203.123,206.683 h0.1 r270; Mechanical 5 "24" at 194.023,219.433 h0.1 r270; Mechanical 5 "42" at 208.223,209.483 h0.1 r270; Mechanical 5 "43" at 208.223,208.383 h0.1 r270; Mechanical 5 "14" at 190.823,207.283 h0.1 r270; Mechanical 5 "12" at 194.023,203.933 h0.1 r270; Mechanical 5 "11" at 195.123,203.933 h0.1 r270; Mechanical 5 "13" at 192.923,203.933 h0.1 r270; Mechanical 5 "25" at 195.123,219.433 h0.1 r270; Mechanical 5 "15" at 190.823,208.383 h0.1 r270; Mechanical 5 "97" at 208.223,217.183 h0.1 r270; Mechanical 5 "44" at 208.223,207.283 h0.1 r270; Mechanical 5 "26" at 196.223,219.433 h0.1 r270; Mechanical 5 "9" at 197.323,203.973 h0.1 r270; Mechanical 5 "8" at 198.423,203.973 h0.1 r270; Mechanical 5 "6" at 200.623,203.973 h0.1 r270; Mechanical 5 "5" at 201.723,203.973 h0.1 r270; Mechanical 5 "4" at 202.823,203.973 h0.1 r270; Mechanical 5 "96" at 190.823,217.183 h0.1 r270; Mechanical 5 "95" at 190.823,206.183 h0.1 r270; Mechanical 5 "3" at 203.923,203.973 h0.1 r270; Mechanical 5 "7" at 199.523,203.973 h0.1 r270; Mechanical 5 "31" at 201.723,219.433 h0.1 r270; Mechanical 5 "33" at 203.923,219.433 h0.1 r270; Mechanical 5 "32" at 202.823,219.433 h0.1 r270; Mechanical 5 "30" at 200.623,219.433 h0.1 r270; Mechanical 5 "16" at 190.823,209.483 h0.1 r270; Mechanical 5 "18" at 190.823,211.683 h0.1 r270; Mechanical 5 "17" at 190.823,210.583 h0.1 r270; Mechanical 5 "23" at 192.923,219.433 h0.1 r270; Mechanical 5 "20" at 190.823,213.883 h0.1 r270; Mechanical 5 "19" at 190.823,212.783 h0.1 r270; Mechanical 5 "21" at 190.823,214.983 h0.1 r270; Mechanical 5 "22" at 190.823,216.083 h0.1 r270; Mechanical 5 "36" at 208.223,216.083 h0.1 r270; Mechanical 5 "37" at 208.223,214.983 h0.1 r270; Mechanical 5 "40" at 208.223,211.683 h0.1 r270; Mechanical 5 "41" at 208.223,210.583 h0.1 r270; Mechanical 5 "27" at 197.323,219.433 h0.1 r270; Mechanical 5 "34" at 205.023,219.433 h0.1 r270; Mechanical 5 "10" at 196.223,203.933 h0.1 r270; Mechanical 5 "1" at 206.123,203.973 h0.1 r270; Mechanical 5 "39" at 208.223,212.783 h0.1 r270; Mechanical 5 "38" at 208.223,213.883 h0.1 r270; Mechanical 5 "29" at 199.523,219.433 h0.1 r270; Mechanical 5 "28" at 198.423,219.433 h0.1 r270; Mechanical 5 "98" at 208.223,206.183 h0.1 r270; Mechanical 5 "35" at 206.123,219.433 h0.1 r270; Mechanical 5 "2" at 205.023,203.973 h0.1 r270